# Altium PCB Misko 3 1.0.PcbDoc (part 1 of 4)
Units mm, origin at the board's own origin, x right, y up, seen from the top; angles counter-clockwise.
Board outline 128.1 x 53.3 mm, 6 copper layers (Top (LS), Mid 1 (LS), Mid 2 (GND), Mid 3 (P/HS), Mid 4 (GND), Bottom (HS)), stack 1.597 mm thick; 232 components, 215 nets, 901 pads, 503 vias.
Unrouted connection lines stored in the file: 3.
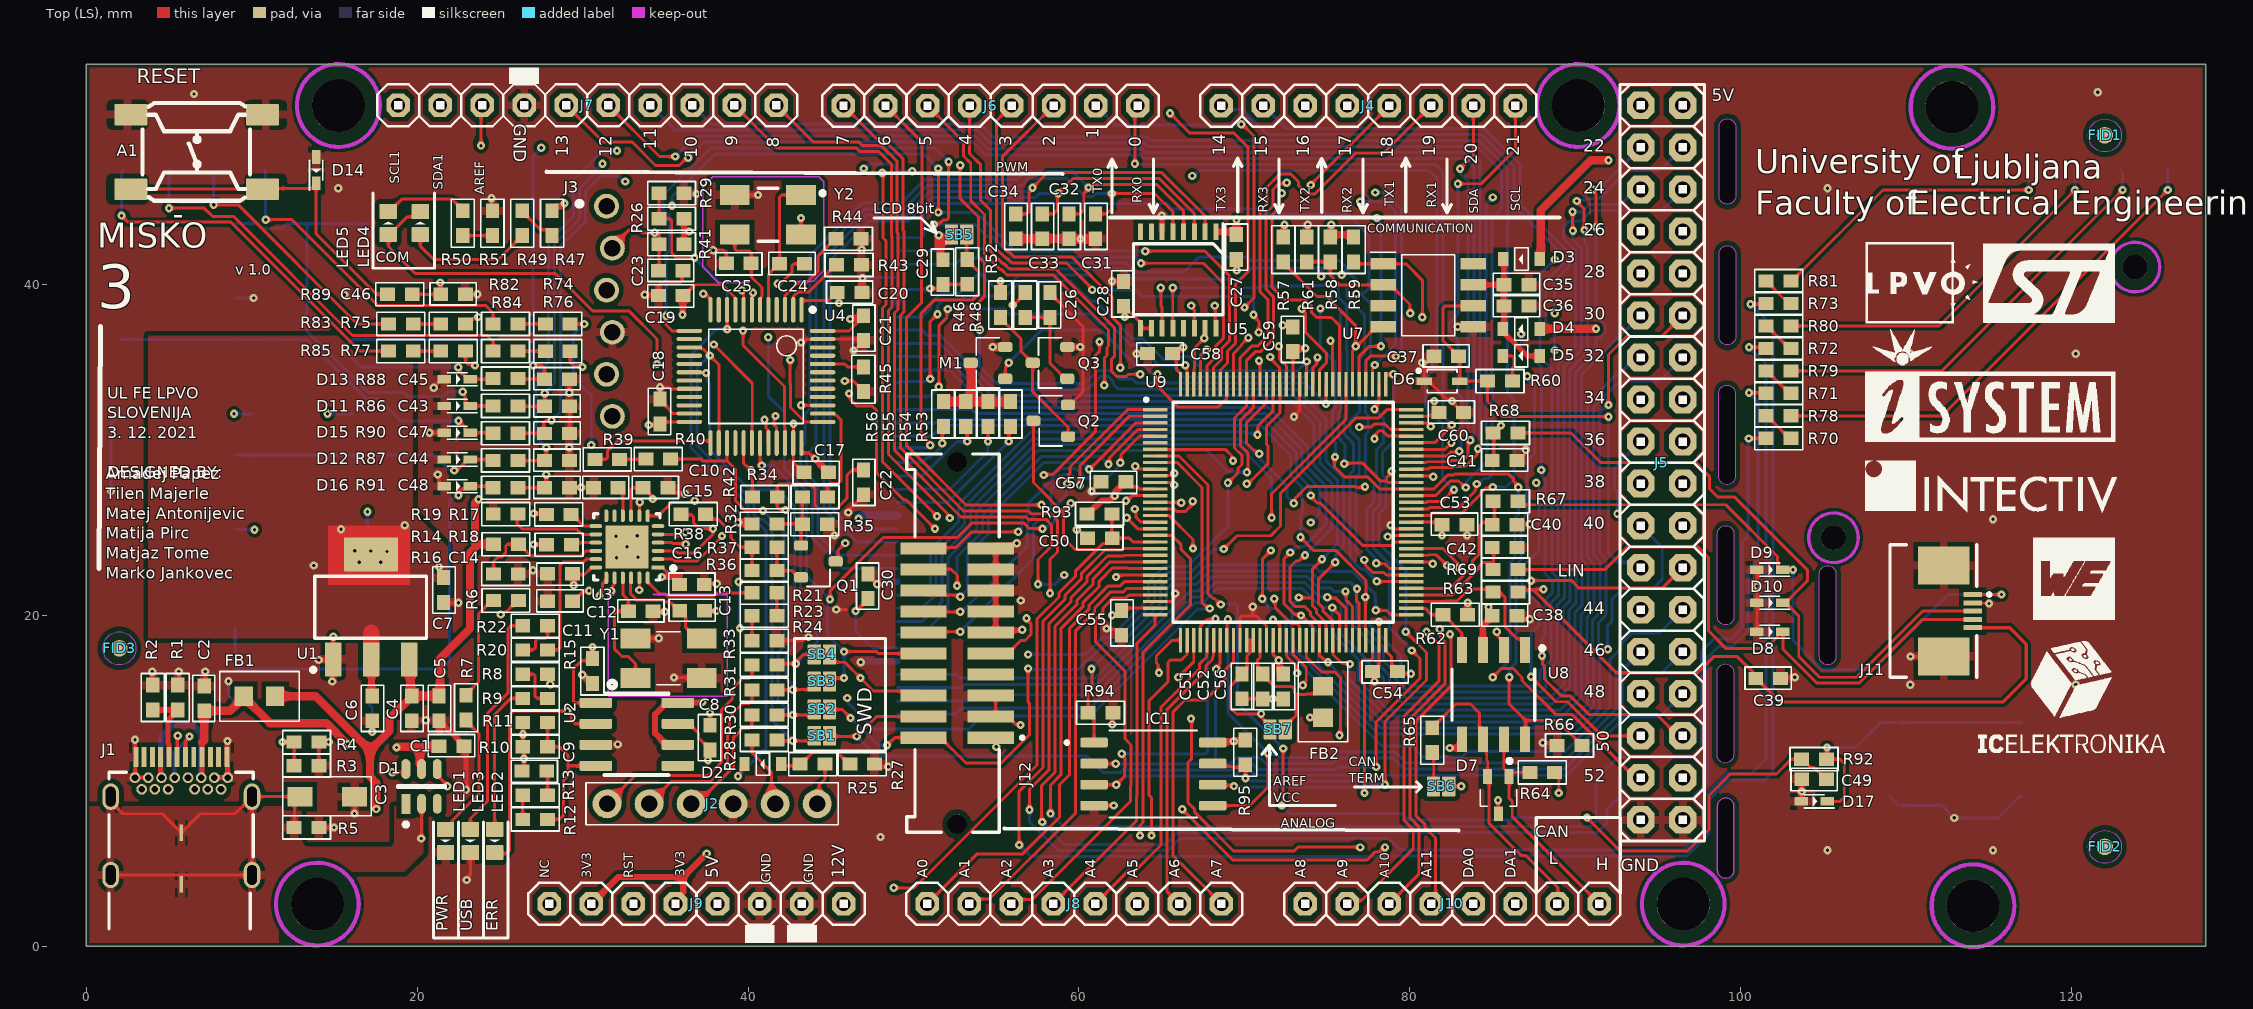
[diagram p0: Top (LS) view]
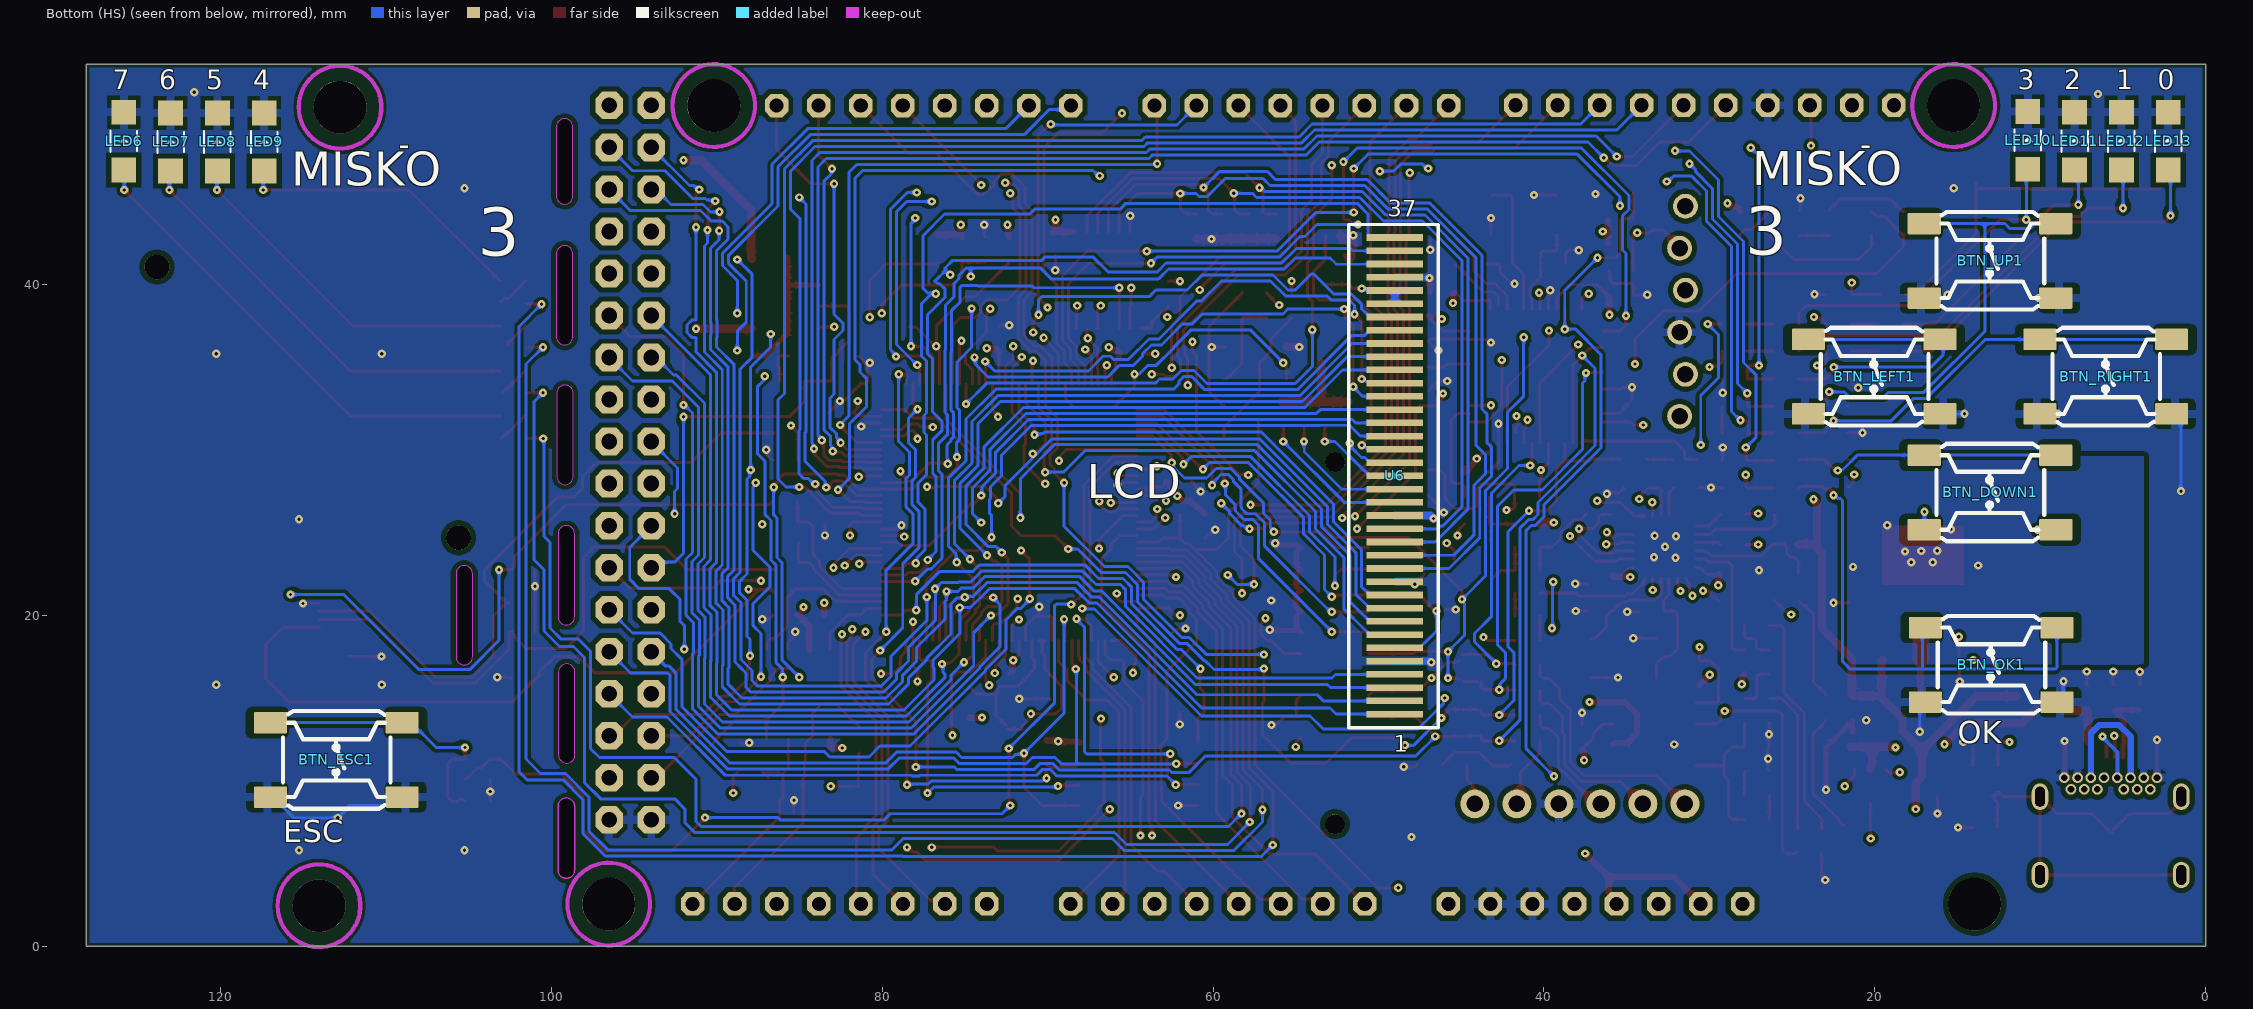
[diagram p1: Bottom (HS) view, seen from below]
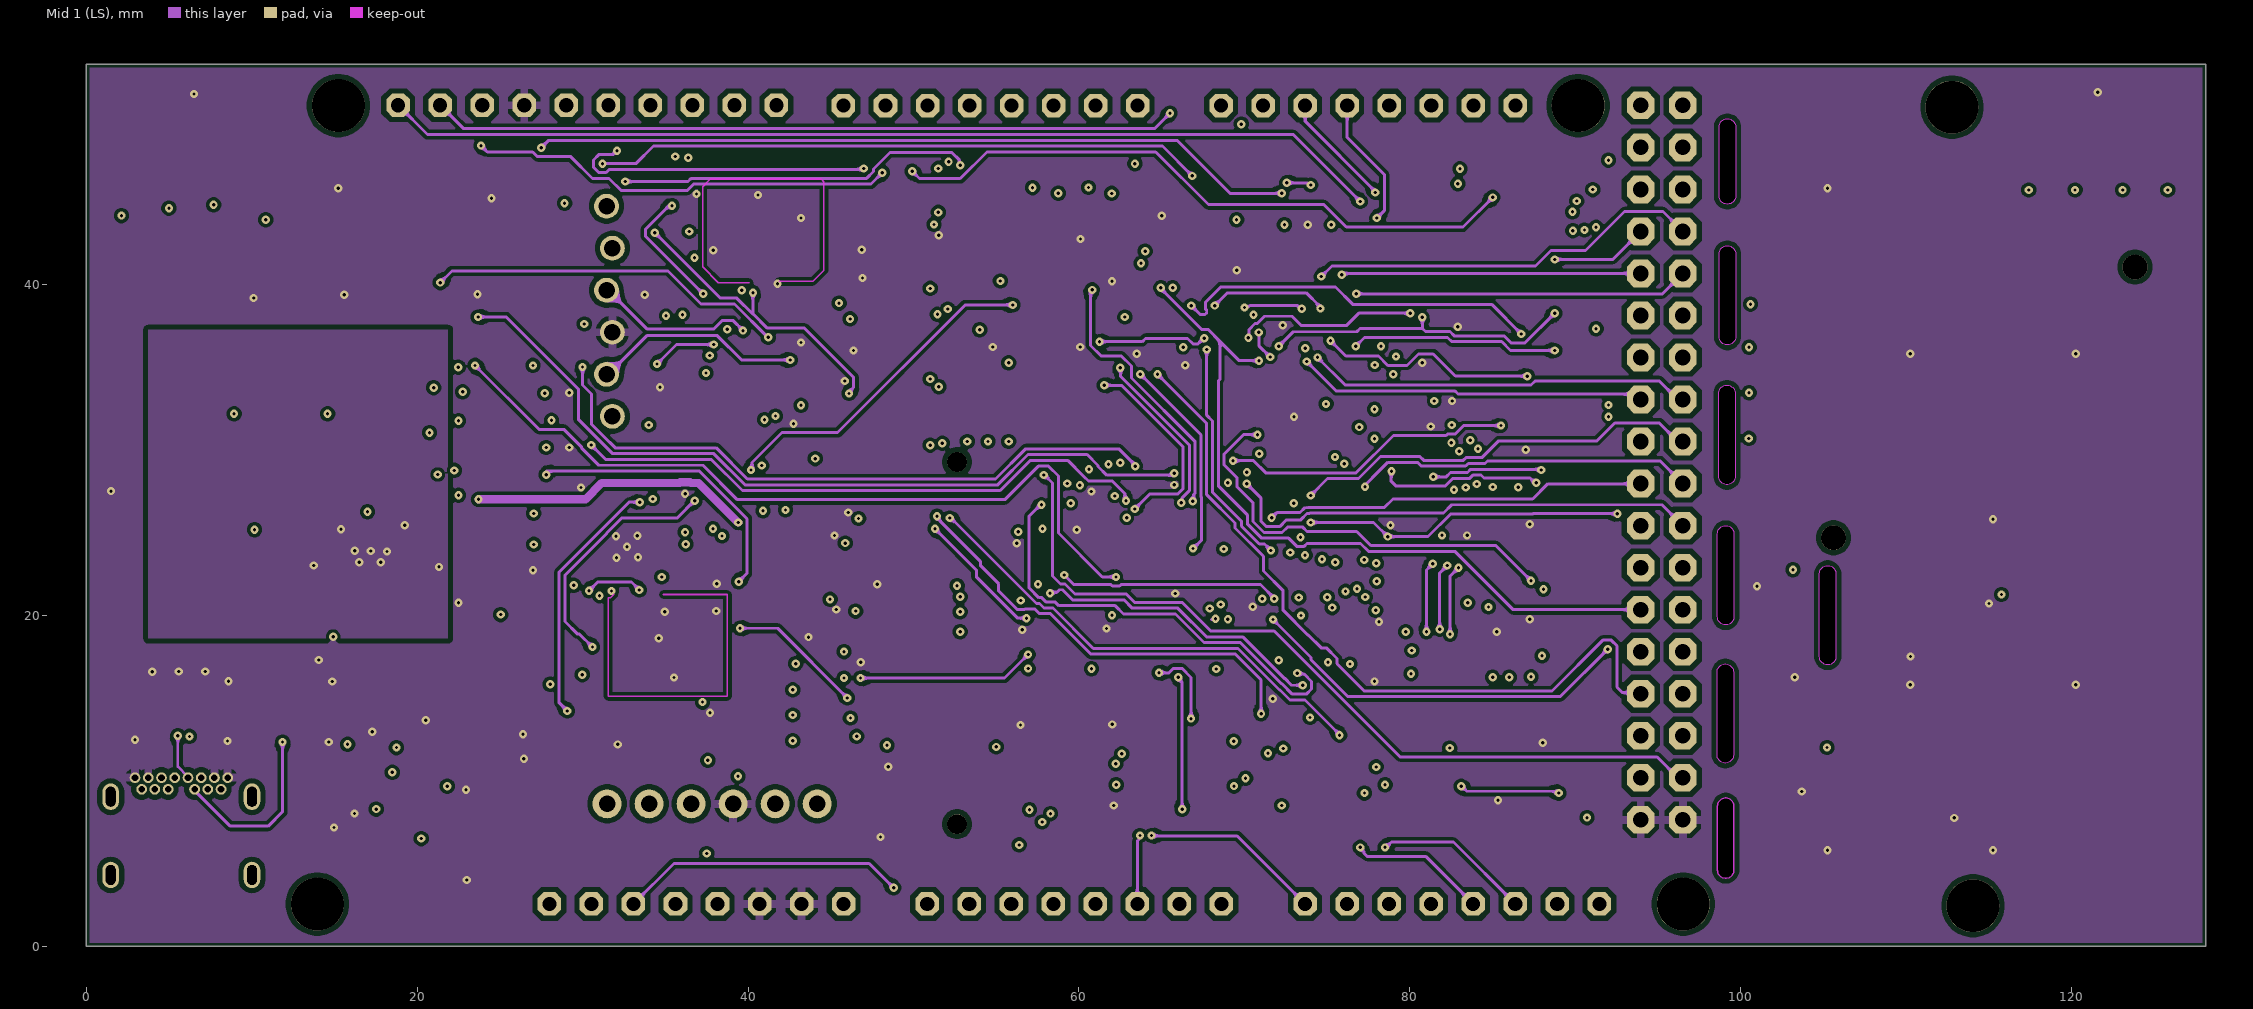
[diagram p2: Mid 1 (LS)]
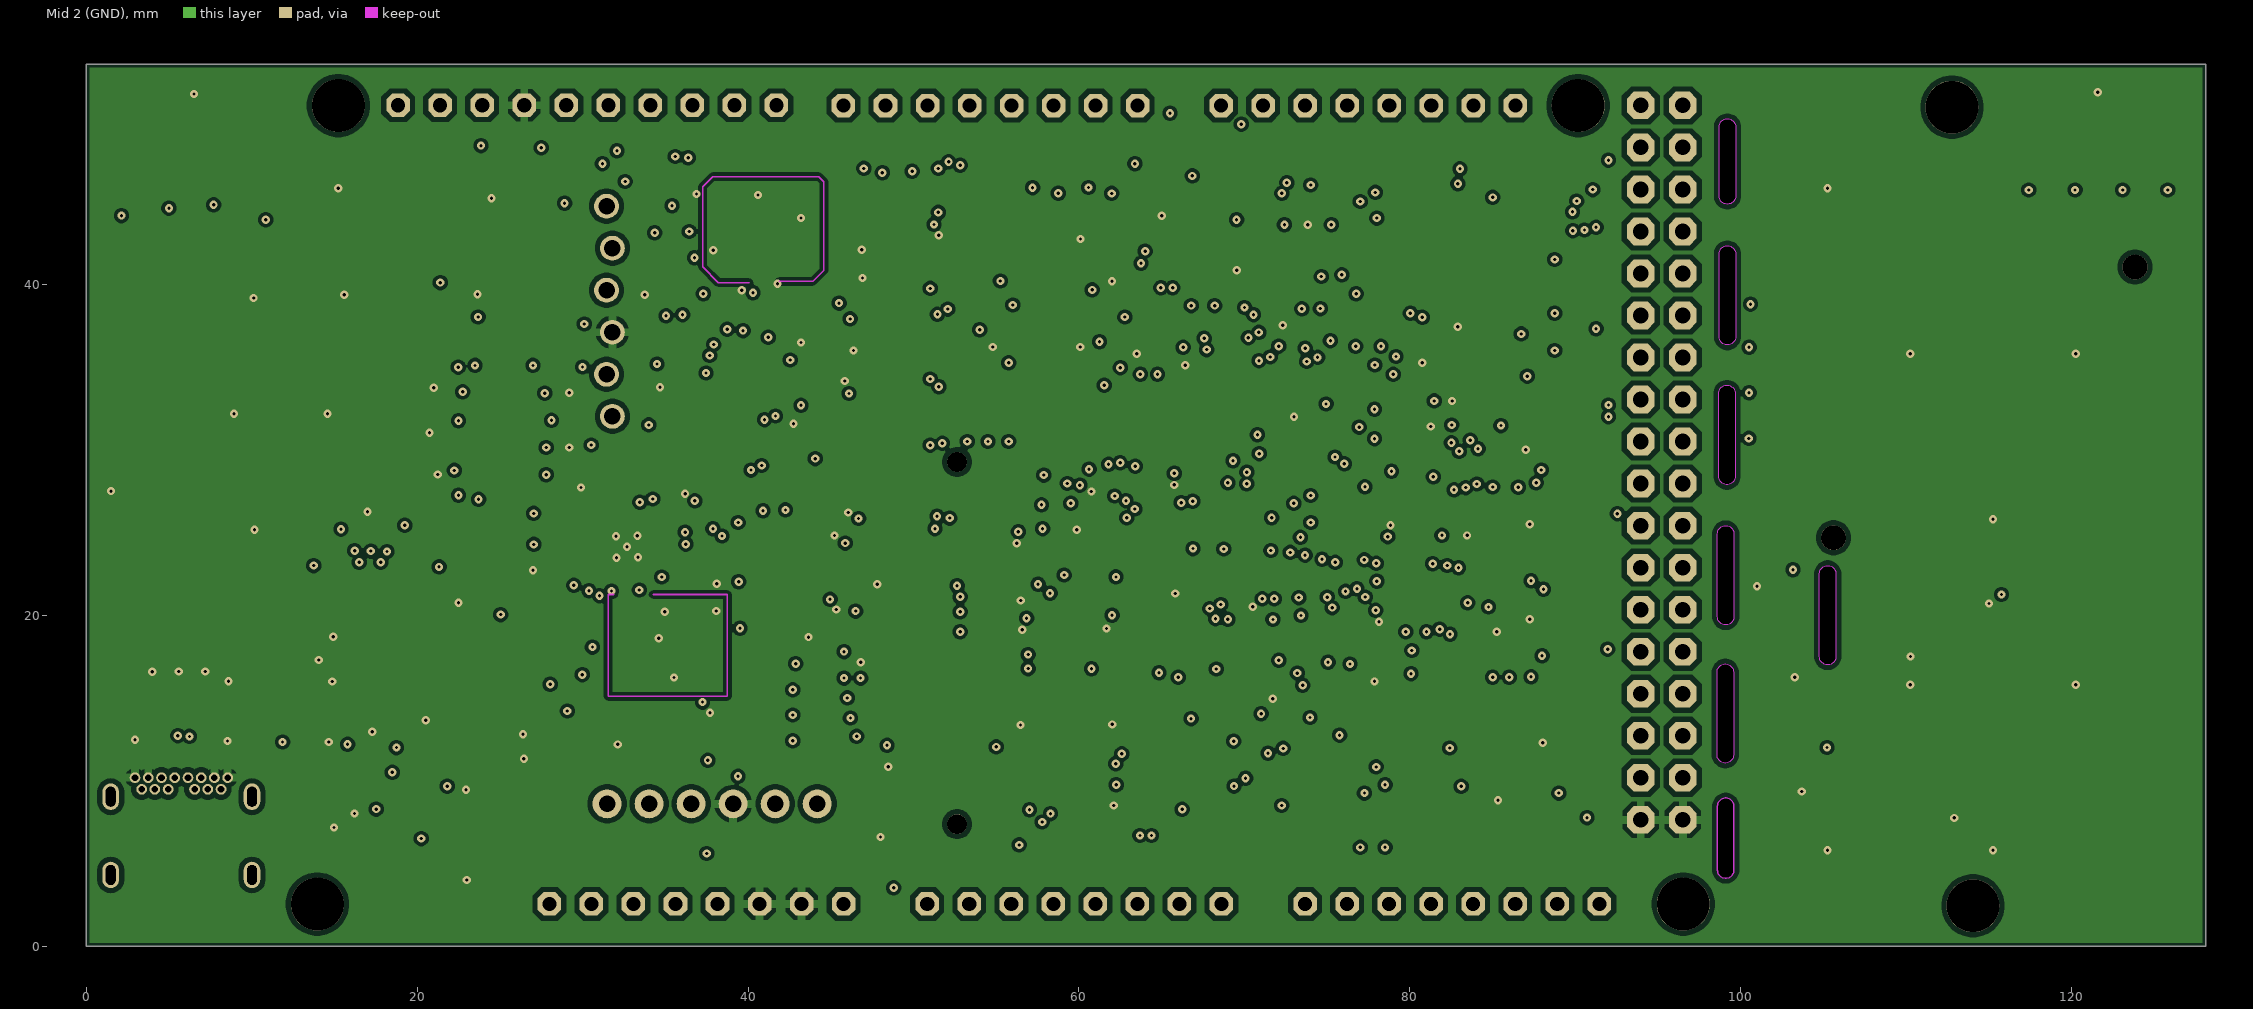
[diagram p3: Mid 2 (GND)]
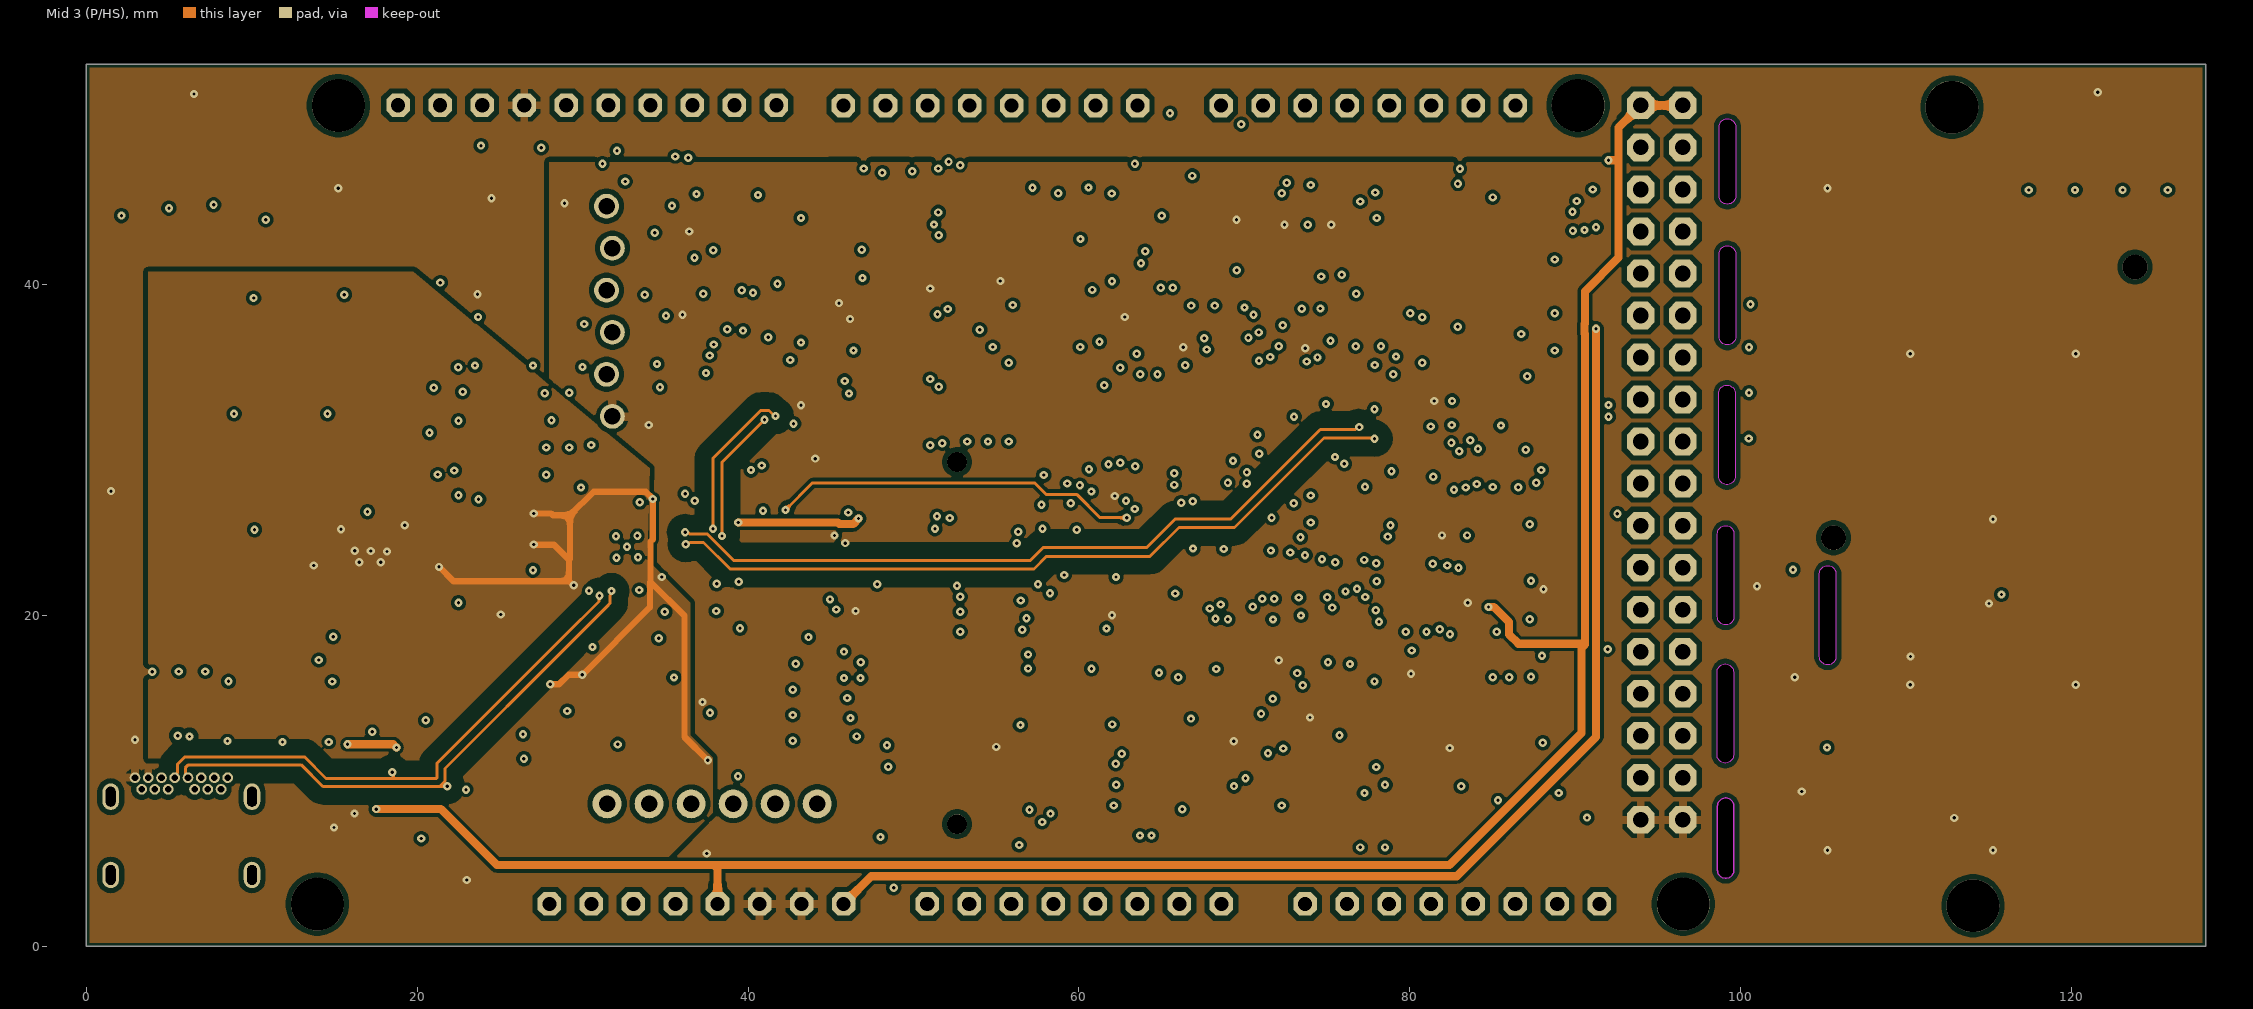
[diagram p4: Mid 3 (P/HS)]
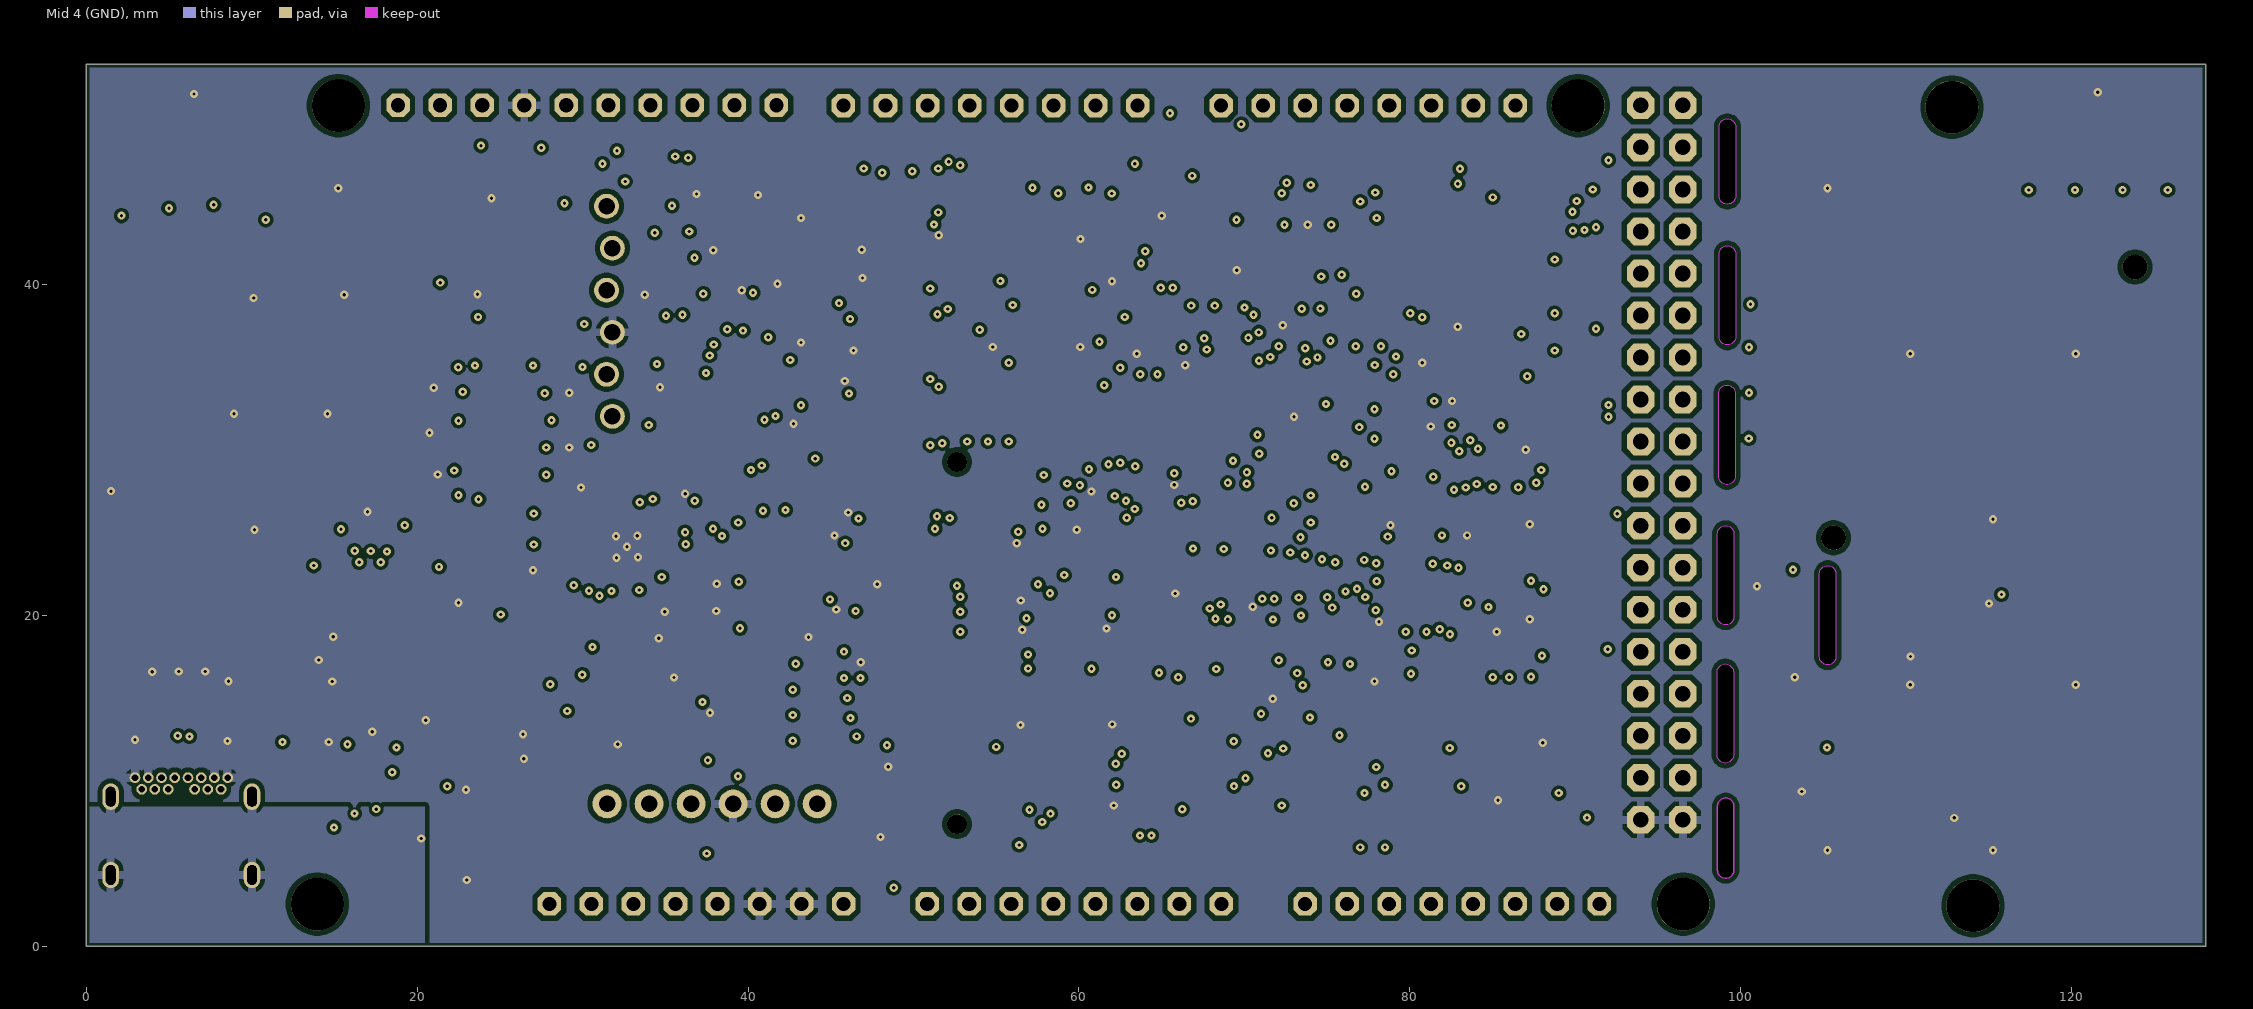
[diagram p5: Mid 4 (GND)]

## Layer stack, top to bottom
Top Mask: solder mask 0.015, Solder Resist, Dk 3.8
Top (LS): signal copper 0.035
Dielectric 1: prepreg 0.1, 2313, Dk 4.05
Mid 1 (LS): signal copper 0.0175
Core 1: core 0.565, FR-4, Dk 4.5
Mid 2 (GND): signal copper 0.0175
Dielectric 2: prepreg 0.127, 2116, Dk 4.25
Mid 3 (P/HS): signal copper 0.0175
Core 2: core 0.565, FR-4, Dk 4.5
Mid 4 (GND): signal copper 0.0175
Dielectric 3: prepreg 0.1, 2313, Dk 4.05
Bottom (HS): signal copper 0.035
Bottom Mask: solder mask 0.015, Solder Resist, Dk 3.8

## Board outline
0,0 128.1,0 128.1,53.3 0,53.3
cut-out: 104.75,17.5 104.75,22.5 cw(c105.25,22.5) 105.75,22.5 105.75,17.5 cw(c105.25,17.5)
cut-out: 98.687,45.339 98.687,49.505 cw(c99.187,49.505) 99.687,49.505 99.687,45.339 cw(c99.187,45.339)
cut-out: 98.687,36.83 98.687,41.83 cw(c99.187,41.83) 99.687,41.83 99.687,36.83 cw(c99.187,36.83)
cut-out: 98.661,28.397 98.661,33.397 cw(c99.162,33.397) 99.662,33.397 99.662,28.397 cw(c99.162,28.397)
cut-out: 98.585,19.914 98.585,24.914 cw(c99.085,24.914) 99.586,24.914 99.586,19.914 cw(c99.085,19.914)
cut-out: 98.56,11.557 98.56,16.557 cw(c99.06,16.557) 99.56,16.557 99.56,11.557 cw(c99.06,11.557)
cut-out: 98.585,4.592 98.585,8.454 cw(c99.085,8.454) 99.586,8.454 99.586,4.592 cw(c99.085,4.592)
cut-out: 98.585,4.605 ccw(c99.085,4.605) 99.586,4.605 99.586,8.454 ccw(c99.085,8.454) 98.585,8.454
